# KiCad board mackerel-10-v1.kicad_pcb (continued)
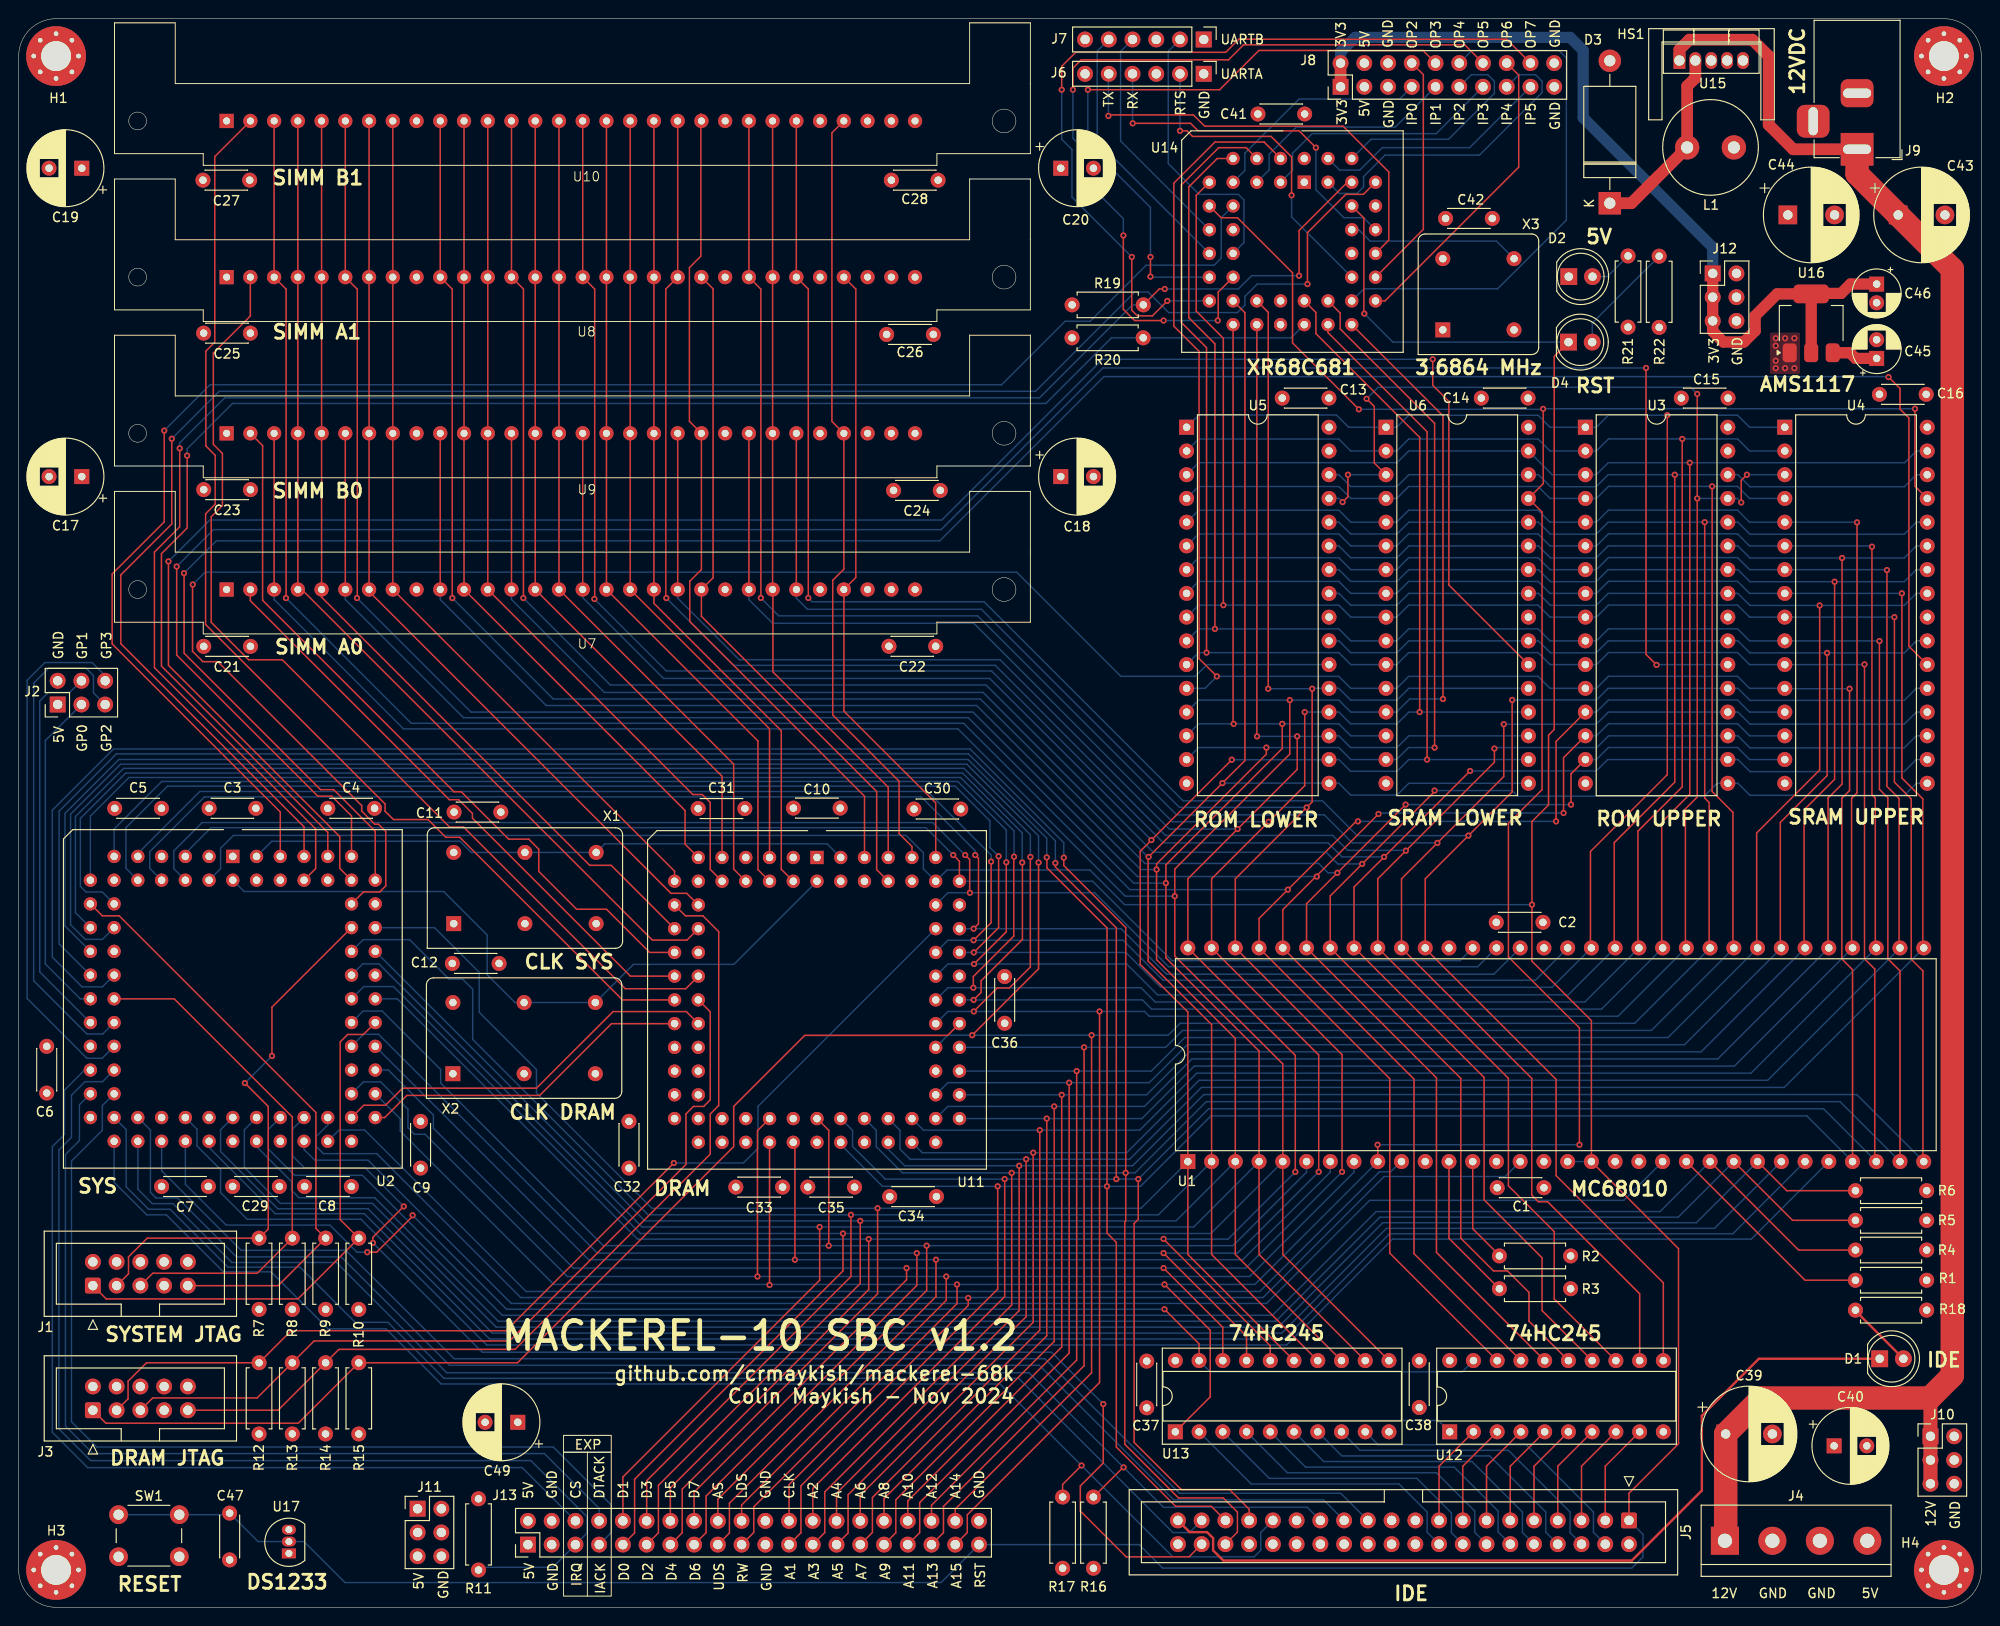
[diagram p0: board, top side]
## Routing (per net, layer and track width the routed paths; a pad name or vN(x,y) marks a point on that pad's centre or on a via; arc(x,y) is an arc through that point) (continued)
D7: length 378.6
  Top w0.152: J13.16 72.27,12.32 95,35.05 v1(95,36.3) ; U7.25 U9.25 ; v1(141.6,46.6) 141.6,59.14 U1.62 130.18,77.96 v1(137.81,85.59) 138.4,86.18 v1(138.4,98.3) ; v1(133.7,98.3) 133.7,138.58 U14.21 ; v1(122.5,36.3) 128.84,29.96 U13.18
  Bottom w0.152: U6.21 148.75,98.34 147.49,97.08 142.52,97.08 141.26,98.34 U5.21 138.44,98.34 v1(138.4,98.3) v1(133.7,98.3) ; v1(137.81,85.59) 137.8,85.6 124.2,85.6 103,106.8 84.4,106.8 83.21,107.99 U7.25 ; v1(141.6,46.6) 131.3,36.3 v1(122.5,36.3) v1(95,36.3) 59.34,36.3 44.38,51.27 44.38,52.68 39.56,57.49 U2.58
D8: length 301.1
  Top w0.152: U10.3 U8.3 28.61,141.06 28.61,108.01 28.61,108.01 v1(28.6,108) ; v1(143.3,84.1) 143.1,84.1 v1(135.8,76.8) 132.72,73.72 U1.61 146.7,56.58 146.7,37.9 U12.18 ; U3.13 164.5,92.66 v1(164.5,84.1)
  Bottom w0.152: v1(28.6,108) 42,94.6 101.1,94.6 118.9,76.8 v1(135.8,76.8) ; U4.13 185.21,95.8 183.91,97.09 170.1,97.09 168.81,95.8 U3.13 ; v1(143.3,84.1) v1(164.5,84.1)
D9: length 291.5
  Top w0.152: v1(145.5,84.9) 138.9,78.3 v1(138.9,78.2) 138.8,78.2 135.26,74.66 U1.60 149.3,56.52 149.3,37.84 U12.17 ; U8.6 U10.6 ; v1(36.2,108) 36.21,107.99 36.23,107.99 36.23,141.05 34.95,142.33 ; v1(165.3,85) 165.3,90.92 U3.14
  Bottom w0.152: v1(165.3,85) 145.6,85 v1(145.5,84.9) ; U4.14 185.21,93.26 183.91,94.55 170.1,94.55 168.81,93.26 U3.14 ; v1(36.2,108) 48.4,95.8 102.1,95.8 119.7,78.2 v1(138.9,78.2)
D10: length 278.5
  Top w0.152: v1(46.4,108) 46.39,108 46.39,141.06 45.11,142.34 ; v1(166.1,85.9) 166.1,89.18 U3.15 ; U12.16 151.7,37.98 151.7,56.66 U1.59 137.8,75.3 v1(141.1,78.6) v1(148.4,85.9) ; U8.10 U10.10
  Bottom w0.152: U3.15 168.81,90.72 170.1,92.01 183.91,92.01 185.21,90.72 U4.15 ; v1(46.4,108) 57.2,97.2 102.9,97.2 120.5,79.6 139.1,79.6 140.1,78.6 v1(141.1,78.6) ; v1(148.4,85.9) v1(166.1,85.9)
D11: length 284.8
  Top w0.152: v1(54,108) 54.01,108.01 54.01,141.07 52.73,142.35 ; U8.13 U10.13 ; U12.15 161.6,30.62 161.6,33.7 159.3,36 157.8,36 154.3,39.5 154.3,56.6 U1.58 140.34,76.14 v1(143.75,79.55) 151.5,87.3 v1(151.5,87.4)
  Bottom w0.152: 204.21,88.18 203.04,88.18 201.75,86.89 185.25,86.89 183.96,88.18 U3.17 181.73,88.18 180.35,86.8 160.4,86.8 159.8,87.4 v1(151.5,87.4) ; v1(54,108) 63.3,98.7 103.5,98.7 121.4,80.8 139.9,80.8 141.15,79.55 v1(143.75,79.55)
D12: length 277
  Top w0.152: v1(61.6,107.9) 61.63,107.93 61.63,141.07 60.35,142.35 ; U8.16 U10.16 ; U12.14 163,31.76 163,37.4 156.8,43.6 156.8,56.7 142.94,70.56 U1.57 142.88,77.08 v1(146.1,80.3) v1(155.3,89.5)
  Bottom w0.152: v1(146.1,80.3) 141.6,80.3 140.1,81.8 122.5,81.8 104.1,100.2 69.3,100.2 v1(61.6,107.9) ; v1(155.3,89.5) 168.8,89.5 170.02,90.72 U3.18 183.96,90.72 185.25,89.43 201.75,89.43 203.04,90.72 204.21,90.72
D13: length 271.1
  Top w0.152: v1(157.9,91.9) 157.9,90.44 v1(148.43,80.97) 145.42,77.96 U1.56 145.44,70.56 159.4,56.6 159.4,45.1 164.3,40.2 164.3,33 U12.13 ; U10.20 U8.20 69.24,141.07 69.24,108.06 v1(69.3,108)
  Bottom w0.152: v1(157.9,91.9) 158,92 168.86,92 170.12,93.26 U3.19 183.96,93.26 185.25,91.97 201.75,91.97 203.04,93.26 204.21,93.26 ; v1(69.3,108) 76.5,100.8 104.5,100.8 122.7,82.6 140.6,82.6 142.2,81 148.4,81 v1(148.43,80.97)
D14: length 265.5
  Top w0.152: 78.13,142.35 79.41,141.07 v1(79.41,108.01) ; v1(158.9,94.5) 158.9,88.9 v1(151.8,81.8) 147.96,77.96 U1.55 147.96,70.54 161.9,56.6 161.9,44.1 162.6,43.4 163.6,43.4 173.44,33.56 U12.12 ; U8.23 U10.23
  Bottom w0.152: v1(79.41,108.01) 81.32,106.1 102.6,106.1 123.9,84.8 139.7,84.8 142.7,81.8 v1(151.8,81.8) ; v1(158.9,94.5) 168.8,94.5 170.1,95.8 U3.20 183.96,95.8 185.25,94.51 201.75,94.51 203.04,95.8 204.21,95.8
D15: length 263.8
  Top w0.152: U12.11 175.98,34.72 164.5,46.2 164.5,56.5 150.5,70.5 U1.54 150.5,77.96 v1(155.12,82.58) 159.8,87.26 v1(159.8,97.1) ; 83.21,142.35 84.49,141.07 v1(84.49,108.01) ; U8.25 U10.25
  Bottom w0.152: v1(155.12,82.58) 143.22,82.58 139.5,86.3 124.6,86.3 103.3,107.6 84.9,107.6 v1(84.49,108.01) ; v1(159.8,97.1) 168.83,97.1 170.07,98.34 U3.21 183.96,98.34 185.25,97.05 201.75,97.05 203.04,98.34 204.21,98.34
FC0: length 196.6
  Bottom w0.152: U1.28 185.38,39.4 147,39.4 135.68,28.07 50.08,28.07 36.62,41.53 24.45,41.53 21.6,44.38 21.6,46.85 19.08,49.38 19.08,51.17 U2.40
FC1: length 187.8
  Bottom w0.152: U1.27 183.41,39.97 146.68,39.97 135.41,28.71 50.39,28.71 36.98,42.12 27.45,42.12 20.37,49.2 U2.41
FC2: length 186.8
  Bottom w0.152: U2.44 21.6,51.1 21.6,48.78 27.73,42.65 37.38,42.65 50.68,29.34 135.15,29.34 146.35,40.55 181.45,40.55 U1.26
GP0: length 35.7
  Bottom w0.152: U2.22 6.59,65.11 2.85,68.85 2.85,92.75 J2.3
GP1: length 42
  Bottom w0.152: J2.4 5.46,97.9 3.16,97.9 2.25,96.99 2.25,67.99 U2.24
GP2: length 54.3
  Bottom w0.152: U2.25 8.99,61.35 7.3,61.35 1.6,67.05 1.6,98.9 3.2,100.5 7.2,100.5 8,99.7 8,97.86 J2.5
GP3: length 56.8
  Bottom w0.152: J2.6 9.25,99.7 7.85,101.1 2.8,101.1 0.9,99.2 0.9,65.15 7.3,58.75 8.93,58.75 U2.27
IDE_D0: length 11
  Top w0.152: U12.2 151.98,15.1 J5.17
IDE_D1: length 11
  Top w0.152: J5.15 154.52,15.1 U12.3
IDE_D2: length 11
  Top w0.152: U12.4 157.06,15.1 J5.13
IDE_D3: length 11
  Top w0.152: U12.5 159.6,15.1 J5.11
IDE_D4: length 11
  Top w0.152: J5.9 162.14,15.1 U12.6
IDE_D5: length 11
  Top w0.152: J5.7 164.68,15.1 U12.7
IDE_D6: length 11
  Top w0.152: U12.8 167.22,15.1 J5.5
IDE_D7: length 11
  Top w0.152: U12.9 169.76,15.1 J5.3
IDE_D8: length 31.9
  Bottom w0.152: U13.9 145.46,17.4 161.3,17.4 168.5,10.2 168.5,8.02 J5.4
IDE_D9: length 32
  Bottom w0.152: J5.6 166,7.98 166,10.2 159.4,16.8 143.52,16.8 U13.8
IDE_D10: length 31.9
  Bottom w0.152: J5.8 163.4,8.04 163.4,10.2 157.4,16.2 141.58,16.2 U13.7
IDE_D11: length 31.9
  Bottom w0.152: U13.6 139.64,15.6 155.5,15.6 160.9,10.2 160.9,8 J5.10
IDE_D12: length 32
  Bottom w0.152: U13.5 137.7,15 153.6,15 158.3,10.3 158.3,8.06 J5.12
IDE_D13: length 32
  Bottom w0.152: J5.14 155.8,8.02 155.8,10.3 151.7,14.4 135.76,14.4 U13.4
IDE_D14: length 31.9
  Bottom w0.152: U13.3 133.82,13.8 149.6,13.8 153.3,10.1 153.3,7.98 J5.16
IDE_D15: length 31.9
  Bottom w0.152: J5.18 150.7,8.04 150.7,10.2 147.7,13.2 131.88,13.2 U13.2
IDE_INT: length 151.9
  Top w0.152: v1(113.72,15.18) 111.7,13.15 R17.2
  Bottom w0.152: U2.33 10.21,45.49 13.7,42 15.8,42 21.9,35.9 27,35.9 33.1,29.8 39.3,29.8 45.2,23.9 105,23.9 v1(113.72,15.18) 123.5,5.4 132.2,5.4 132.9,6.1 132.9,8 J5.31
IDE_RDY: length 150.9
  Top w0.152: R16.2 118.18,14.97 v1(118.22,14.97)
  Bottom w0.152: U2.35 12.75,44.75 14.3,43.2 16.5,43.2 22.8,36.9 34,36.9 45.8,25.1 108.1,25.1 v1(118.22,14.97) 122.5,10.7 137.88,10.7 J5.27
IP0: length 24.4
  Bottom w0.152: J8.7 147.75,161.4 137,161.4 131.2,155.6 131.2,153.76 U14.8
IP1: length 24.3
  Bottom w0.152: J8.9 147.29,158.4 136.7,158.4 133.8,155.5 133.8,153.82 U14.5
IP2: length 24
  Bottom w0.152: J8.11 155.43,164 157.2,164 157.9,163.3 157.9,162 153,157.1 144.7,157.1 U14.40
IP3: length 27
  Bottom w0.152: U14.3 136.3,153.78 136.3,155.6 138.4,157.7 151.67,157.7 J8.13
IP4: length 34.3
  Bottom w0.152: J8.15 160.51,164 162.3,164 163,163.3 163,162.1 156.3,155.4 146.2,155.4 143.9,153.1 143.9,152 143.2,151.3 141.3,151.3 U14.43
IP5: length 25.9
  Bottom w0.152: U14.42 141.34,153.8 143.5,153.8 145.9,156.2 155.25,156.2 J8.17
OP2: length 25.5
  Top w0.152: U14.31 150.3,147.46 150.3,164.01 J8.8
OP3: length 68.6
  Top w0.152: v1(114.4,162.4) 128.5,162.4 132.7,166.6 150.25,166.6 J8.10 ; v1(121.1,142.4) v1(121.1,144.5)
  Bottom w0.152: v1(121.1,142.4) 121.16,142.34 U14.15 ; v1(114.4,162.4) 114.4,156.5 121.1,149.8 v1(121.1,144.5)
OP4: length 56.2
  Bottom w0.152: J8.12 155.49,166.6 164.8,166.6 165.6,165.8 165.6,148.45 158.25,141.1 143.94,141.1 U14.30
OP5: length 89.7
  Top w0.152: J8.14 154.73,167.2 131.05,167.2 129.45,165.6 113.7,165.6 112.8,164.7 v1(112.8,162.4) ; U14.16 128.35,140.75 128.35,137.75 v1(128.3,137.7) ; v1(122.5,137.7) 119.4,137.7 118.2,138.9 v1(118.2,146.8)
  Bottom w0.152: v1(112.8,162.4) 112.8,157.2 113.6,156.4 113.6,153.2 118.2,148.6 v1(118.2,146.8) ; v1(128.3,137.7) v1(122.5,137.7)
OP6: length 32.9
  Top w0.152: U14.29 146.19,139.8 160.5,154.11 160.5,163.97 J8.16
OP7: length 90.8
  Top w0.152: v1(122.9,139.8) 121.3,138.2 119.7,138.2 119.1,138.8 v1(119.1,144.5) ; J8.18 159.21,167.8 130.55,167.8 129.15,166.4 113.1,166.4 111.6,164.9 v1(111.6,162.4)
  Bottom w0.152: v1(111.6,162.4) 111.6,157.1 112.7,156 112.7,150.9 v1(119.1,144.5) ; v1(122.9,139.8) U14.17
R/W: length 431.6
  Top w0.152: v1(145.4,49.5) 145.42,49.48 U1.9 ; v1(80.34,34.5) U11.39 ; U14.9 128.66,148.7 130.4,148.7 136.3,142.8 136.3,135.3 v1(143.4,128.2) ; U13.1 127.5,22.52 127.5,29.65 v1(122.6,34.55) ; 204.21,118.66 202.91,119.97 v1(202.91,128.26) ; v1(167,49.5) 167,62 159.4,69.6 159.4,83.9 163,87.5 163,117.2 U6.29 163.12,120.24 163.12,128.24 v1(163.12,128.25) ; v1(100.4,34.55) 100.4,32.5 78.65,10.75 78.65,8.01 J13.19
  Bottom w0.152: U13.1 124.98,20 151.9,20 U12.1 ; v1(202.91,128.26) 163.12,128.26 v1(163.12,128.25) 163.06,128.2 v1(143.4,128.2) ; U1.9 132.27,34.55 v1(122.6,34.55) v1(100.4,34.55) 80.39,34.55 v1(80.34,34.5) 80.29,34.55 57.25,34.55 40.83,50.97 40.83,52.28 U2.56 ; v1(145.4,49.5) 166.8,49.5 167,49.3
RAM_A0: length 109
  Top w0.152: U11.17 71.5,71.4 67.8,71.4 30.28,108.92 U7.4 U10.4
RAM_A1: length 103.4
  Top w0.152: U11.16 63.4,79.4 61.1,79.4 32.4,108.1 32.4,108.91 U7.5 U10.5
RAM_A2: length 99.5
  Top w0.152: U11.15 71.48,76.4 69.8,76.4 37.49,108.71 U7.7 U10.7
RAM_A3: length 93.8
  Top w0.152: U10.8 U7.8 70.18,78.77 U11.12
RAM_A4: length 89.2
  Top w0.152: U11.11 71.3,81.66 71.3,85.27 U7.11 U10.11
RAM_A5: length 92.3
  Top w0.152: U11.10 74,78.96 74,86.12 73.15,86.97 72.13,86.97 U7.12 U10.12
RAM_A6: length 87.1
  Top w0.152: U10.14 U7.14 75.26,88.93 U11.9
RAM_A7: length 89.6
  Top w0.152: U10.15 U7.15 76.5,90.23 76.5,79 U11.8
RAM_A8: length 88.6
  Top w0.152: U10.17 U8.17 U7.17 79.1,92.71 79.1,78.94 U11.6
RAM_A9: length 85
  Top w0.152: U10.18 U7.18 80.34,94.01 U11.5
RAM_A10: length 87.5
  Top w0.152: U10.19 U7.19 67.97,107.43 81.6,93.8 81.6,78.98 U11.4
RAM_A11: length 83.9
  Top w0.152: U10.24 U7.24 80.7,108.89 80.7,100.1 93.04,87.76 U11.79
RAMWRA: length 74
  Top w0.152: U11.80 91.8,78.94 91.8,87.3 73.05,106.05 U7.21 74.3,110.17 74.3,141.09 U8.21
RAMWRB: length 88.9
  Top w0.152: 72.99,159.83 72.99,144.59 71.77,143.37 71.77,126.91 U9.21 73.05,111.05 71.8,109.8 71.8,105.5 90.5,86.8 U11.81
RASA: length 67.2
  Top w0.152: U8.27 89.57,141.06 89.57,110.2 U7.27 88.3,108.91 88.3,95.9 98.12,86.08 U11.75
RASB: length 83.9
  Top w0.152: U10.27 87.01,157.78 87.01,126.91 U9.27 88.29,111.09 87.1,109.9 87.1,95.5 94.2,88.4 94.2,82.8 95.58,81.42 U11.77
RXA: length 38.6
  Top w0.152: v1(119.2,158.8) 125.4,158.8 126.2,158 137,158 v1(138.8,156.2)
  Bottom w0.152: v1(119.2,158.8) 119.2,159.1 119.18,159.12 J6.4 ; v1(138.8,156.2) 138.8,151.7 141.8,148.7 143.9,148.7 U14.35
RXB: length 24.8
  Bottom w0.152: U14.11 117.9,156.92 117.9,166.5 J7.4
TCK: length 58.2
  Top w0.152: U2.62 36.88,61.3 35.2,61.3 34.4,60.5 34.4,41.49 R10.1 29.88,33 9.36,33 J1.1
TCK_DRAM: length 113.5
  Top w0.152: U11.62 99.4,61.2 84.1,61.2 76.5,53.6 76.5,49.3 53.37,26.17 R15.1 29.92,19.7 9.33,19.7 J3.1
TDI: length 64.1
  Top w0.152: J1.9 27.77,34.43 R9.2 31.8,40.55 31.8,52.95 10.75,74 8.94,74 U2.14
TDI_DRAM: length 97.3
  Top w0.152: U11.14 71.34,74 73.2,74 74.9,72.3 74.9,53.7 74,52.8 74,48.5 53.1,27.6 34.26,27.6 R14.2 27.75,21.09 J3.9
TDO: length 57.8
  Top w0.152: v1(27.1,59) 27.1,64.22 U2.71 ; J1.3 11.75,35.69 11.75,37.5 13.76,39.5 R7.2 26.7,40.49 26.7,53.6 v1(24.2,56.1)
  Bottom w0.152: v1(24.2,56.1) v1(27.1,59)
TDO_DRAM: length 112.7
  Top w0.152: v1(70.1,47.55) 52.15,29.6 29.15,29.6 R12.2 13.67,26.17 11.7,24.2 11.7,22.31 J3.3
  Bottom w0.152: v1(70.1,47.55) 77.55,47.55 79.1,49.1 79.1,53.6 U11.71
TMS: length 55.6
  Top w0.152: J1.5 14.34,35.75 25.52,35.75 R8.2 29.28,52.48 16.64,65.11 U2.23
TMS_DRAM: length 89.1
  Top w0.152: J3.5 14.33,22.4 25.51,22.4 R13.2 31.61,28.5 52.5,28.5 71.4,47.4 71.4,52.8 72.2,53.6 73.3,53.6 74,54.3 74,63.72 U11.23
TXA: length 46.4
  Top w0.152: v1(116.6,159.6) 116.7,159.7 125.7,159.7 126.9,158.5 141.7,158.5 146.6,153.6 146.6,146.3 U14.33
  Bottom w0.152: v1(116.6,159.6) 116.6,164.06 J6.5
TXB: length 28.4
  Bottom w0.152: J7.5 115.4,166.53 115.4,156.88 U14.13
Net-(D1-A): length 7.3
  Top w0.152: 196.53,31.73 R18.2
  Top w0.25: D1.2 196.53,31.73
Net-(D1-K): length 91.3
  Top w0.25: D1.1 186.2,26.6 180.1,20.5 180.1,12.5 172.6,5 128.9,5 127.8,6.1 127.8,7.4 127.15,8.05 125.29,8.05 J5.39
Net-(D2-A): length 4.7
  Bottom w0.152: R21.2 169.99,142.4 D2.2
Net-(D3-K): length 20.4
  Top w1.25: U15.2 179.4,163.65 178.53,162.78 L1.1 172.56,150.25 D3.1
Net-(D4-A): length 12.2
  Bottom w0.152: D4.2 168.37,137.42 R22.2
Net-(U1-BERR): length 23.4
  Top w0.152: U1.22 191.14,35 R1.2
Net-(U1-BGACK): length 15.8
  Top w0.152: R3.2 153.04,39.49 U1.12
Net-(U1-BR): length 11.3
  Top w0.152: R2.2 158.44,37.66 155.58,40.52 U1.13
Net-(U14-X1/CLK): length 18.6
  Bottom w0.152: U14.36 143.38,147.42 144.6,146.2 158.12,146.2 X3.5

## Copper pours and planes (outline as drawn; the poured copper is in the pictures)
+5V on In2.Cu: -12.1,175.3 221,175.3 217.5,-5 -5.8,-5
GND on Top: 190.6,136.4 190.6,132 187.4,132 187.4,136.4
GND on In1.Cu: -4.9,173.5 217.5,173.3 217.9,-7.4 -6.3,-7.4

## Text on the board
F.Silkscreen: EXP | UARTA | UARTB | 12V | GND | 5V | GP1 | GP3 | CS | DTACK | D1 | D3 | D5 | D7 | AS | LDS | CLK | A2 | A4 | A6 | A8 | A10 | A12 | A14 | 3V3 | TX | RX | RTS | OP2 | OP3 | OP4 | OP5 | OP6 | OP7 | GP0 | GP2 | IRQ | IACK | D0 | D2 | D4 | D6 | UDS | RW | A1 | A3 | A5 | A7 | A9 | A11 | A13 | A15 | RST | IP0 | IP1 | IP2 | IP3 | IP4 | IP5 | github.com/crmaykish/mackerel-68k / Colin Maykish - Nov 2024 | SIMM B1 | SIMM A1 | SIMM B0 | SIMM A0 | SYS | RESET | DRAM JTAG | SYSTEM JTAG | DS1233 | CLK DRAM | CLK SYS | DRAM | ROM LOWER | 74HC245 | XR68C681 | IDE | SRAM LOWER | 3.6864 MHz | MC68010 | ROM UPPER | AMS1117 | SRAM UPPER | 12VDC | MACKEREL-10 SBC v1.2
